# KiCad board keyboard.kicad_pcb (continued)
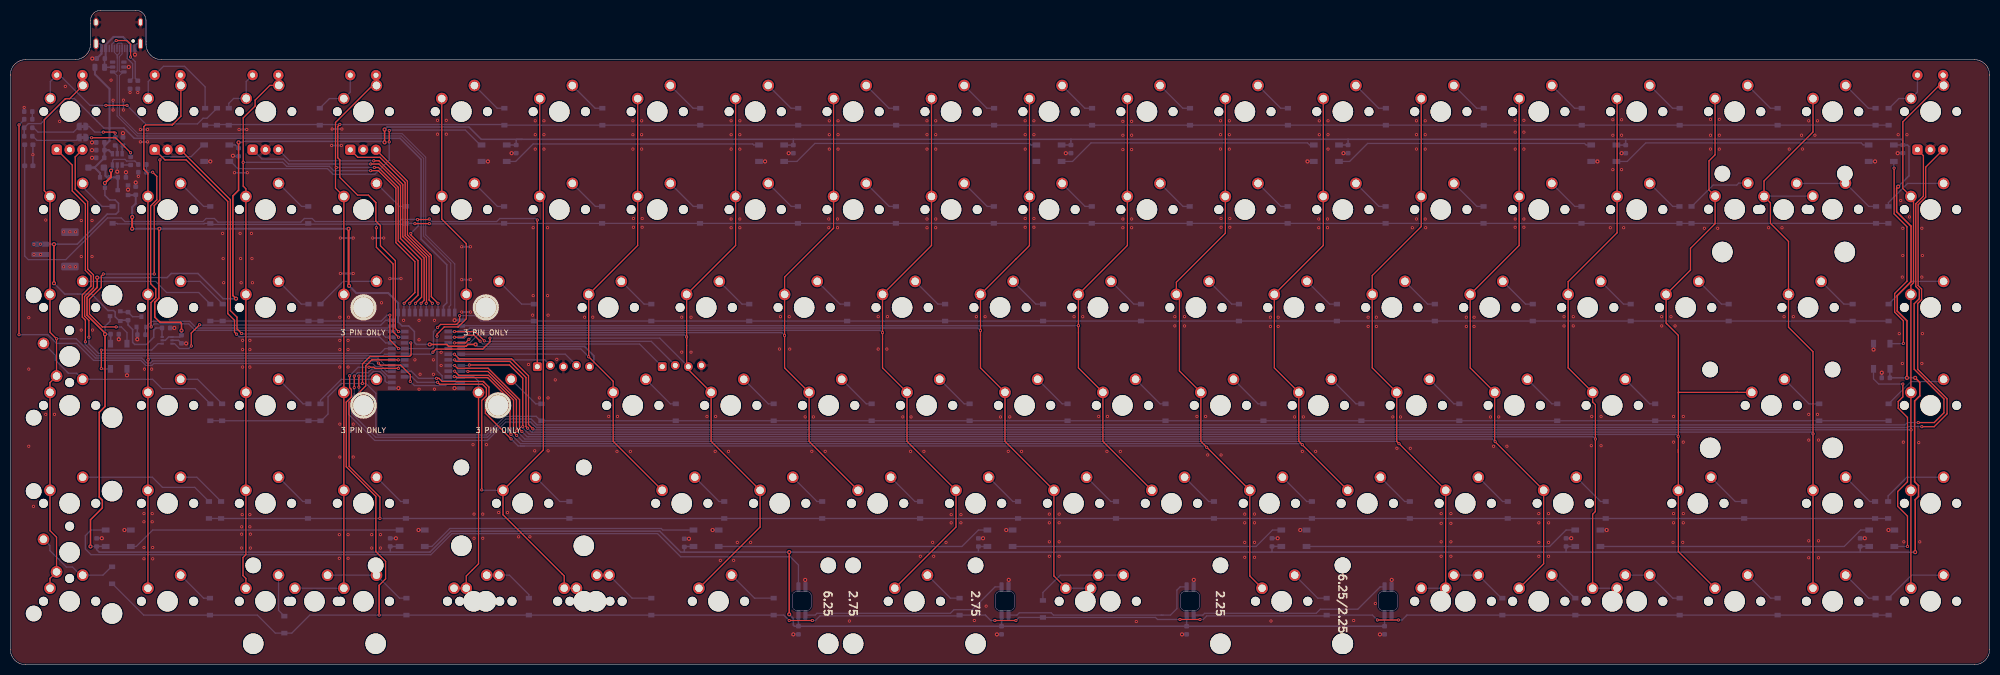
[diagram p0: board, top side]
## Routing (per net, layer and track width the routed paths; a pad name or vN(x,y) marks a point on that pad's centre or on a via; arc(x,y) is an arc through that point) (continued)
/ENC1_A: length 75.8
  Top w0.25: v1(44,64.3) 43.6,64.7 43.6,67 42.3,68.3 42.3,90.1 34.2,98.2 30.07,98.2 K_9.A
  Bottom w0.25: v1(44,64.3) 44.5,63.8 71.8,63.8 73,62.6 U1.9
/ENC1_B: length 70.2
  Top w0.25: v1(45,64.42) 44.1,65.32 44.1,67.6 42.8,68.9 42.8,90.47 K_9.B
  Bottom w0.25: U1.10 73,63.7 72.35,64.35 45.08,64.35 v1(45,64.42)
/ENC2_A: length 58.6
  Top w0.25: v1(70.1,97.4) 71.7,97.4 75.9,93.2 75.9,82.9 80,78.8 80,71.5 v1(78.8,70.3)
  Bottom w0.25: v1(70.1,97.4) 54.1,97.4 53.14,98.36 48.96,98.36 K_15.A ; v1(78.8,70.3) 78.75,70.25 U1.17
/ENC2_B: length 53.9
  Top w0.25: v1(79.9,70.3) 80.5,70.9 80.5,79.09 76.35,83.24 76.35,93.39 71.71,98.02 v1(70.7,98.02)
  Bottom w0.25: v1(70.7,98.02) 54.3,98.02 K_15.B ; v1(79.9,70.3) 79.85,70.25 U1.18
/ENC3_A: length 40.4
  Top w0.25: v1(80.9,70.3) 80.95,70.35 80.95,79.28 76.8,83.43 76.8,93.8 71.9,98.7 67.59,98.7 K_22.A
  Bottom w0.25: U1.19 80.9,68.55 v1(80.9,70.3)
/ENC3_B: length 36.2
  Top w0.25: K_22.B 77.25,94.05 77.25,83.62 81.45,79.41 81.45,70.95 v1(82.1,70.3)
  Bottom w0.25: v1(82.1,70.3) 82.05,70.25 U1.20
/ENC4_A: length 385.9
  Top w0.25: v1(371.1,47.1) 374.2,47.1 376.1,49 376.1,51.7 370.3,57.5 370.3,70.2 371.3,71.2 371.3,72.9 370.62,73.58 370.62,89.66 372.1,91.14 372.1,99.02 K_113.A ; v1(67.8,56.15) v1(67.8,54)
  Bottom w0.25: v1(67.8,56.15) 69.73,56.15 70.63,57.05 71.85,57.05 72.9,56 72.9,55.19 73.19,54.9 U1.2 ; v1(67.8,54) 67.8,52.85 66.4,51.45 66.4,48.9 71.05,44.25 92.79,44.25 96.34,47.8 101.3,47.8 102.45,46.65 368.55,46.65 369,47.1 v1(371.1,47.1)
/ENC4_B: length 388.8
  Top w0.25: v1(371.8,46.3) 374.2,46.3 376.7,48.8 376.7,51.74 371,57.44 371,70.26 371.75,71.01 371.75,73.09 371.07,73.76 371.07,89.47 372.55,90.94 372.55,96.79 K_113.B ; v1(66.9,56.15) v1(66.9,53.9)
  Bottom w0.25: v1(66.9,56.15) 67.55,56.8 69.58,56.8 70.31,57.53 72.04,57.53 73.57,56 U1.3 ; v1(371.8,46.3) 371.75,46.35 369.25,46.35 369.05,46.15 102.26,46.15 101.91,46.5 101.9,46.5 101.2,47.2 96.37,47.2 92.8,43.63 70.87,43.63 65.8,48.7 65.8,51.5 66.9,52.6 v1(66.9,53.9)
/nRST: length 176.7
  Top w0.25: v1(83.2,70.3) 81.9,71.6 81.9,79.61 81.61,79.9 81.6,79.9 77.9,83.6 v1(77.9,83.9) ; J1.1 v1(102.5,86.5) ; v1(79.2,86.6) 81.4,86.6 v1(81.5,86.7)
  Bottom w0.25: v1(83.2,70.3) 83.2,68.55 U1.21 ; v1(77.9,83.9) 79.32,85.32 79.32,86.48 v1(79.2,86.6) 79.18,86.62 76.12,86.62 75.7,86.2 59.3,86.2 58.7,86.8 57.2,86.8 56.5,86.1 40.4,86.1 39.7,86.8 38.1,86.8 37.5,86.2 22.3,86.2 21.6,86.9 18.9,86.9 10.8,78.8 3.5,78.8 2.8,79.5 SW1.1 SW1.1 ; v1(81.5,86.7) 82,86.2 94.6,86.2 95.2,86.8 102.2,86.8 v1(102.5,86.5)
/ROW0: length 375.6
  Top w0.25: 71.1,89.9 70.75,90.25 ; 71.1,89.9 69.65,91.35 67.55,91.35 64.1,94.8 64.1,98.2 63.7,98.6 63.7,104.7 v1(64.1,105.1) ; 71.1,89.9 71.1,86.3 72,85.4 72,81.5 74.9,78.6 74.9,65.4 v1(75.5,64.8)
  Bottom w0.25: 40.44,104.95 40.56,105.07 95.98,105.07 D_86.1 D_80.1 D_75.1 D_69.1 D_64.1 D_58.1 D_53.1 D_47.1 D_42.1 D_36.1 D_31.1 D_24.1 D_18.1 D_13.1 D_8.1 D_1.1 ; 40.14,104.95 37.8,104.95 ; U1.46 v1(75.5,64.8)
/ROW1: length 371.5
  Top w0.25: v1(71.2,85) 71.2,81.2 74.45,77.95 74.45,64.75 v1(75.5,63.7) ; v1(78.7,85.8) v1(81.5,85.8)
  Bottom w0.25: v1(81.5,85.8) 81.55,85.75 95.95,85.75 D_87.1 D_81.1 D_76.1 D_70.1 D_65.1 D_59.1 D_54.1 D_48.1 D_43.1 D_37.1 D_32.1 D_25.1 D_20.1 D_7.1 D_2.1 ; v1(78.7,85.8) 78.65,85.85 D_88.1 76.85,85.7 71.6,85.7 ; 71.2,85.7 71.1,85.7 ; 71.2,85.7 71.6,85.7 ; 71.2,85.7 v1(71.2,85) ; 71.6,85.7 71.4,85.7 ; 71.6,85.7 58.1,85.7 D_96.1 57.75,85.65 39.1,85.65 D_104.1 37.79,85.85 37.69,85.75 20.85,85.75 20.75,85.85 D_110.1 ; U1.45 v1(75.5,63.7)
/ROW2: length 338.3
  Top w0.25: v1(83.1,65.6) 83.7,66.2 86.8,66.2 87.4,66.8 v1(87.4,67.9) ; v1(75.5,61.5) 73.83,63.17 v1(73.83,68)
  Bottom w0.25: v1(83.1,65.6) 82.3,64.8 82.3,61.68 82.12,61.5 U1.43 v1(75.5,61.5) ; D_3.1 D_11.1 D_16.1 D_22.1 D_28.1 D_34.1 D_39.1 D_45.1 D_51.1 D_56.1 D_62.1 D_67.1 D_73.1 D_78.1 D_84.1 91.55,66.85 91.3,67.1 ; D_105.1 D_100.1 D_94.1 D_91.1 72.15,66.85 73.3,68 v1(73.83,68) ; 91.3,67.1 91.5,66.9 ; 91.3,67.1 90.5,67.9 v1(87.4,67.9)
/ROW3: length 359.4
  Top w0.25: v1(68.5,54.7) 68.5,58.5 70,60 77.7,60 77.96,60.26 77.96,62.54 v1(77.9,62.6)
  Bottom w0.25: v1(77.9,62.6) U1.44 ; D_4.1 D_12.1 D_21.1 D_27.1 D_33.1 D_38.1 D_44.1 D_49.1 D_55.1 D_60.1 D_66.1 D_71.1 D_77.1 D_83.1 103.15,47.45 102.28,48.32 96.22,48.32 92.6,44.7 71.52,44.7 71.1,45.12 71.1,52.8 69.2,54.7 v1(68.5,54.7) 64.4,54.7 61.8,52.1 61.8,48.76 60.49,47.45 D_92.1 D_95.1 38.95,47.45
/ROW4: length 368.1
  Top w0.25: v1(71.9,28.45) 71.9,32.6 65.9,38.6 65.9,51 69.14,54.24 69.14,58.12 70.32,59.3 v1(75.46,59.3)
  Bottom w0.25: D_6.1 D_10.1 D_15.1 D_23.1 D_29.1 D_35.1 D_41.1 D_46.1 D_52.1 D_57.1 D_63.1 D_68.1 D_74.1 D_82.1 D_90.1 D_97.1 D_102.1 D_108.1 ; U1.41 v1(75.46,59.3)
/ROW5: length 423
  Top w0.25: v1(69.77,57.87) 70.73,57.87 70.95,57.65 v1(75.48,57.65) ; v1(265.9,8.7) v1(270,8.7) ; v1(191.5,8.6) v1(195.6,8.6) ; v1(66,56.2) 66,53.9 66.35,53.55 66.35,52.09 65.35,51.09 65.35,38.51 71.1,32.76 71.1,22 73,20.1 73,16.7 71.75,15.45 ; 71.75,15.45 71.75,10.15 ; 71.75,15.45 v1(71.75,9.65) ; v1(156,8.6) v1(151.5,8.6) ; v1(227.5,8.8) v1(231.4,8.8)
  Bottom w0.25: v1(151.5,8.6) 150.45,9.65 D_72.1 D_79.1 D_85.1 D_89.1 v1(71.75,9.65) 58.25,9.65 54.75,6.15 D_98.1 51.55,6.15 48.05,9.65 D_107.1 25.95,9.65 19.85,15.75 D_111.1 ; v1(195.6,8.6) 196.2,9.2 D_50.1 222.74,9.2 223.14,8.8 v1(227.5,8.8) ; v1(265.9,8.7) 264.95,9.65 D_40.1 255.89,9.5 232.7,9.5 232,8.8 v1(231.4,8.8) ; D_5.1 D_9.1 D_14.1 D_19.1 305.15,9.65 ; U1.40 75.6,58.2 75.5,58.1 75.5,57.67 v1(75.48,57.65) ; 305.15,9.65 304.64,9.65 ; 305.15,9.65 D_26.1 D_30.1 271.65,9.65 ; v1(66,56.2) 67.67,57.87 v1(69.77,57.87) ; v1(156,8.6) 156.6,8.6 157.5,9.5 184.49,9.5 D_61.1 189.65,9.65 ; v1(191.5,8.6) 190.7,8.6 189.65,9.65 ; 271.65,9.65 271.5,9.5 ; 271.65,9.65 270.7,8.7 v1(270,8.7) ; 189.65,9.65 189.9,9.4
/SPARE_0: length 44.3
  Top w0.25: v1(86.4,63.7) 88.1,63.7 88.5,64.1 90.22,64.1 v1(91.38,62.94)
  Bottom w0.25: v1(91.38,62.94) 91.94,62.38 122.4,62.38 J4.1 ; U1.54 v1(86.4,63.7)
/SPARE_1: length 46.9
  Top w0.25: v1(92.2,63) 90.4,64.8 v1(86.4,64.8)
  Bottom w0.25: U1.55 v1(86.4,64.8) ; v1(92.2,63) 92.3,62.9 124.67,62.9 J4.2
/SPARE_2: length 59.2
  Top w0.25: v1(93.3,63.52) 93.3,62.8 91.9,61.4 82.8,61.4 v1(82.2,60.8)
  Bottom w0.25: J4.3 126.33,63.52 v1(93.3,63.52) ; U1.42 81.8,60.4 v1(82.2,60.8)
/SWDCLK: length 23.3
  Bottom w0.25: U1.31 107.95,60.4 J1.4
/SWDIO: length 17.8
  Bottom w0.25: J1.2 103.97,59.3 U1.32
/UG_DAT: length 47
  Top w0.25: v1(36.8,66.12) 35.2,64.52 v1(35.2,62)
  Bottom w0.25: v1(35.2,62) 34.7,61.5 32.9,61.5 31.95,62.45 U2.3 ; U1.13 73,67 72.05,66.05 36.87,66.05 v1(36.8,66.12)
/UG_DAT_VBATT: length 17.8
  Top w0.25: v1(17.7,61.2) v1(17.7,57.6)
  Bottom w0.25: U2.4 28.75,62.45 27.5,61.2 v1(17.7,61.2) ; v1(17.7,57.6) 17.75,57.55 D19.4
/UG_EN: length 50.5
  Bottom w0.25: R3.1 26.29,65.54 Q1.1 26.45,65.75 27.5,66.8 34.9,66.8 36.2,65.5 73.8,65.5 U1.12
/UG_VPWR: length 1081.6
  Top w0.3: v2(43.9,71.2) 43.3,71.8 43.3,91.2 44.4,92.3 v2(44.4,101.6) ; v2(370.5,21.9) 370.5,32.1 371.15,32.75 371.15,34.85 370.4,35.6 370.4,51.3 371.4,52.3 371.4,54.9 v2(370.5,55.8) ; v2(367.2,93) 366.9,92.7 366.9,88.1 369.7,85.3 369.7,74.5 367,71.8 367,68.8 368.9,66.9 v2(368.9,55.8) ; v2(16.9,75.3) 16.9,73.4 14.93,71.43 14.93,68 18.42,64.5 v2(18.42,64.3) 18.42,50.22 17.3,49.1 17.3,32.6 17.9,32 17.9,30.5 15.6,28.2 v2(15.6,23) ; v2(151.5,9.8) v2(151.5,21.9) ; v2(72.8,101.6) v2(72.8,104.1)
  Bottom w0.3: D17.1 73.91,23 C17.2 73.9,21.9 ; D15.1 131.18,23 131.1,22.92 131.1,21.9 ; D8.1 312.42,101.07 C4.2 314.2,102.2 ; 302.6,21.9 245.3,21.9 ; 302.6,21.9 C5.2 302.61,23 D9.1 ; 302.6,21.9 359.8,21.9 ; 245.3,21.9 188.3,21.9 ; 245.3,21.9 245.4,22 C8.2 ; 260.2,102.2 314.2,102.2 ; 260.2,102.2 C7.2 258.45,101.09 D10.1 ; 260.2,102.2 206.3,102.2 ; 314.2,102.2 367.8,102.2 368.1,101.9 C1.2 ; v2(367.2,93) 369.3,95.1 369.3,100.8 369.01,101.09 C1.2 ; D12.1 204.49,101.09 C10.2 206.3,102.2 ; C13.2 D1.1 ; C13.2 152.51,7.49 152.3,7.7 152.3,9 v2(151.5,9.8) ; C13.2 C11.2 ; 245.4,23.03 247.19,23.03 D11.1 ; 188.3,21.9 131.1,21.9 ; 188.3,21.9 C12.2 ; 131.1,21.9 130.4,21.9 126.33,25.97 85.7,25.97 81.63,21.9 73.9,21.9 ; v2(370.5,55.8) C2.2 365.57,57.53 D5.1 ; v2(15.6,23) C27.2 16.8,22.4 17.3,21.9 73.9,21.9 ; v2(72.8,104.1) 73.3,104.6 89.2,104.6 91.6,102.2 99.51,102.2 ; 206.3,102.2 152.3,102.2 ; D13.1 188.32,23 188.3,23.03 ; 99.51,102.2 98.5,102.2 98.4,102.1 C16.2 96.57,101.09 D16.1 ; 99.51,102.2 152.3,102.2 ; 152.3,102.2 C14.2 150.54,101.07 D14.1 ; C11.2 C9.2 ; C11.2 D2.1 ; C9.2 C6.2 D4.1 ; C9.2 D3.1 ; D7.1 366.36,101.09 C1.2 ; D20.1 18.53,23.03 16.8,23.03 ; Q2.3 19.4,66.8 18.42,65.82 v2(18.42,64.3) 18.43,64.3 C23.2 19.53,62.47 D19.1 ; 359.8,21.9 v2(370.5,21.9) ; 359.8,21.9 C3.2 361.54,23.01 D6.1 ; v2(72.8,101.6) 72.6,101.8 45.3,101.8 45.1,101.6 v2(44.4,101.6) C18.2 43.79,101.1 D18.1 42.62,101.07 ; v2(43.9,71.2) 41.4,71.2 36.5,76.1 31.3,76.1 30.5,75.3 v2(16.9,75.3)
/USB_D+: length 112.8
  Bottom w0.2: 21.75,118.87 J2.B6 21.75,120.76 21.61,120.9 20.94,120.9 20.75,120.72 J2.A6 ; U1.24 86.45,77.97 80.8,83.62 80.8,98.72 76.22,103.3 26.62,103.3 ; 21.75,118.81 21.2,118.26 21.2,115.51 21.4,115.31 U4.3 21.95,115.31 21.22,114.59 21.22,106.88 24.8,103.3 26.67,103.3
/USB_D-: length 112.3
  Bottom w0.2: U1.23 85.35,69.64 85.68,69.97 85.68,78.11 80.4,83.38 80.4,98.48 76.03,102.85 26.43,102.85 ; J2.A7 21.25,118.97 20.83,118.56 20.8,118.56 ; J2.B7 20.25,119.11 20.8,118.56 ; 20.8,118.56 20.8,117.96 ; 20.8,118.56 20.8,115.51 20.6,115.31 U4.4 20.05,115.31 20.78,114.59 20.78,106.76 24.68,102.85 26.68,102.85
/USR_LED: length 118.1
  Top w0.25: v1(1.7,64.2) v1(1.7,105)
  Bottom w0.25: D22.2 2.71,106.01 v1(1.7,105) 1.71,105 ; v1(1.7,64.2) 7.3,64.2 9,62.5 12.9,62.5 16.2,59.2 25.4,59.2 26.37,58.23 27.53,58.23 27.9,58.6 70.5,58.6 71.05,58.05 72.24,58.05 73.19,57.1 U1.4
/VSENSE: length 82.1
  Top w0.25: v1(27.7,95.8) 28.5,95 28.5,90.44 27.3,89.24 27.3,74.1 28.3,73.1 28.3,71.37 27.38,70.45 27.38,65.72 v1(27.4,65.7)
  Bottom w0.25: R1.2 R2.1 v1(27.7,95.8) ; U1.11 73.95,65.05 35.95,65.05 34.7,66.3 28,66.3 v1(27.4,65.7)
Net-(C22-Pad1): length 6.8
  Bottom w0.4: D21.1 18.5,96.4 18.5,95.1 18.8,94.8 Q3.2 C22.1 20.91,92.31 U3.3
Net-(D1-Pad2): length 40.4
  Bottom w0.25: D1.2 156.55,9.65 156.9,10 182.85,10 183.55,10.7 187.1,10.7 191.55,15.15 D2.4
Net-(D1-Pad4): length 154.7
  Bottom w0.25: 153.29,15.16 D1.4 153.3,19.4 151.7,21 130.4,21 125.9,25.5 85.9,25.5 81.8,21.4 15.7,21.4 14.6,22.5 14.6,25.1 15.7,26.2 D20.2
Net-(D2-Pad2): length 39.8
  Bottom w0.25: 223.85,9.65 225.65,9.65 226.9,10.9 226.9,14.5 227.55,15.15 D3.4 ; 223.85,9.65 224.25,9.65 ; 223.85,9.65 202.9,9.65 202.45,10.1 196.25,10.1 195.8,9.65 D2.2
Net-(D3-Pad2): length 39.4
  Bottom w0.25: D3.2 231.95,9.65 232.3,10 254,10 254.8,10.8 262.1,10.8 266.45,15.15 D4.4
Net-(D5-Pad2): length 44.9
  Top w0.25: v1(369,23) 369,28.9 367.1,30.8 367.1,33.7 369,35.6 369,48.1 367.2,49.9 367.2,51.2 368.1,52.1 v1(368.1,54.6)
  Bottom w0.25: v1(369,23) D6.4 ; D5.2 362.4,55.6 363.4,54.6 v1(368.1,54.6)
Net-(D5-Pad4): length 40.8
  Top w0.25: v1(368.2,62.5) 368.2,66.9 366.5,68.6 366.5,72.2 368.9,74.6 368.9,85.2 366.4,87.7 v1(366.4,96.6)
  Bottom w0.25: D7.2 366.35,96.65 v1(366.4,96.6) ; D5.4 368.15,62.45 v1(368.2,62.5)
Net-(D6-Pad2): length 53.6
  Bottom w0.25: D9.4 356.7,23 359.9,26.2 D6.2
Net-(D7-Pad4): length 50.7
  Bottom w0.25: D7.4 360.4,101.1 360,101.5 318.1,101.5 314.5,97.9 D8.2
Net-(D10-Pad2): length 50.6
  Bottom w0.25: D8.4 306.5,101.1 306.2,101.4 264,101.4 260.5,97.9 D10.2
Net-(D10-Pad4): length 50.7
  Bottom w0.25: D10.4 252.7,101.1 252.3,101.5 210.2,101.5 206.6,97.9 D12.2
Net-(D11-Pad2): length 53.6
  Bottom w0.25: D13.4 242.3,23 245.5,26.2 D11.2
Net-(D11-Pad4): length 53.6
  Bottom w0.25: D11.4 299.4,23 302.6,26.2 D9.2
Net-(D12-Pad4): length 50.6
  Bottom w0.25: D14.2 153,97.9 156.5,101.4 198.2,101.4 198.5,101.1 D12.4
Net-(D13-Pad2): length 53.6
  Bottom w0.25: D13.2 188.3,26.2 185.1,23 D15.4
Net-(D14-Pad4): length 50.5
  Bottom w0.25: D16.2 98.3,97.9 101.7,101.3 144.4,101.3 144.6,101.1 D14.4
Net-(D15-Pad2): length 53.8
  Bottom w0.25: D15.2 126.9,26.2 126.6,26.5 85.5,26.5 82,23 D17.4
Net-(D16-Pad4): length 58.2
  Top w0.25: v1(73.7,101.7) v1(73.7,103.9)
  Bottom w0.25: D18.2 42.85,97.9 44.25,96.5 61.7,96.5 62.8,95.4 70.9,95.4 73.7,98.2 v1(73.7,101.7) ; D16.4 91.41,101.1 88.51,104 73.8,104 v1(73.7,103.9)
Net-(D17-Pad2): length 53.6
  Bottom w0.25: D20.4 24.5,23 27.7,26.2 D17.2
Net-(D18-Pad4): length 62.3
  Top w0.25: v1(29.1,98.2) 29.1,90.4 28,89.3 v1(28,76) ; v1(18.1,76) 17.7,75.6 17.7,73.4 15.4,71.1 15.4,68.2 17.9,65.7 v1(20.6,65.7)
  Bottom w0.25: v1(29.1,98.2) 29.1,98.3 29.63,98.83 35.18,98.83 37.45,101.1 D18.4 ; v1(18.1,76) v1(28,76) ; D19.2 22.7,64.6 21.6,65.7 v1(20.6,65.7)
Net-(D22-Pad1): length 1.6
  Bottom w0.25: 4.29,106 R11.1
Net-(D23-Pad1): length 10.1
  Bottom w0.25: JP1.1 12.3,103.6 5.39,103.6 4.29,104.7 ; 13.2,104.7 13.2,104.6
Net-(D24-Pad1): length 9.7
  Bottom w0.25: 4.29,102.9 5.19,102 12.85,102 JP2.1
Net-(D_1-Pad2): length 10.2
  Bottom w0.25: D_1.2 365.45,108.25 367.34,110.14 K_113.S2 370.94,111.39 K_113.S2
Net-(D_2-Pad2): length 13
  Bottom w0.25: K_114.2 369.02,93.62 365.29,89.89 D_2.2
Net-(D_3-Pad2): length 12.5
  Bottom w0.25: K_115.2 369.75,74.57 D_3.2
Net-(D_4-Pad2): length 12.7
  Bottom w0.25: D_4.2 369.66,55.08 375.59,55.08 K_116.2
Net-(D_5-Pad2): length 12.5
  Bottom w0.25: K_118.2 369.81,17.42 D_5.2
Net-(D_6-Pad2): length 13.4
  Bottom w0.25: D_6.2 365.24,32.84 368.87,36.47 K_117.2
Net-(D_7-Pad2): length 17.4
  Bottom w0.25: D_7.2 361.47,89.15 K_110.2 356.88,93.62 K_107.2 347.51,93.68
Net-(D_8-Pad2): length 7.7
  Bottom w0.25: D_8.2 361.39,108.25 K_109.2
Net-(D_9-Pad2): length 7.7
  Bottom w0.25: K_112.2 361.44,12.95 D_9.2
Net-(D_10-Pad2): length 7.7
  Bottom w0.25: K_111.2 361.69,31.75 D_10.2
Net-(D_11-Pad2): length 8
  Bottom w0.25: K_108.2 356.63,70.15 D_11.2
Net-(D_12-Pad2): length 8.7
  Bottom w0.25: K_106.2 349.84,50.75 D_12.2
Net-(D_13-Pad2): length 7.7
  Bottom w0.25: K_103.2 342.35,108.25 D_13.2
Net-(D_14-Pad2): length 7.7
  Bottom w0.25: D_14.2 342.39,12.95 K_105.2
Net-(D_15-Pad2): length 8.4
  Bottom w0.25: K_102.2 335.5,31.75 D_15.2
Net-(D_16-Pad2): length 7.7
  Bottom w0.25: D_16.2 332.82,70.15 K_101.2
Net-(D_17-Pad2): length 12.8
  Bottom w0.25: D_17.2 327.05,89.15 331.2,93.3 335.8,93.3 336.18,93.68 K_104.2
Net-(D_18-Pad2): length 7.7
  Bottom w0.25: D_18.2 323.3,108.25 K_98.2
Net-(D_19-Pad2): length 12.4
  Bottom w0.25: D_19.2 323.35,12.95 K_100.2 K_97.2
Net-(D_20-Pad2): length 7.6
  Bottom w0.25: K_99.2 323.35,89.15 D_20.2
Net-(D_21-Pad2): length 7.8
  Bottom w0.25: K_96.2 318.88,50.75 D_21.2
Net-(D_22-Pad2): length 7.7
  Bottom w0.25: K_95.2 313.77,70.15 D_22.2
Net-(D_23-Pad2): length 7.7
  Bottom w0.25: D_23.2 309.31,31.75 K_94.2
Net-(D_24-Pad2): length 7.7
  Bottom w0.25: K_91.2 304.25,108.25 D_24.2
Net-(D_25-Pad2): length 7.6
  Bottom w0.25: D_25.2 304.3,89.15 K_92.2
Net-(D_26-Pad2): length 6.4
  Bottom w0.25: D_26.2 304.3,12.95 K_93.2
Net-(D_27-Pad2): length 7.8
  Bottom w0.25: D_27.2 299.83,50.75 K_90.2
Net-(D_28-Pad2): length 7.7
  Bottom w0.25: D_28.2 294.72,70.15 K_89.2
Net-(D_29-Pad2): length 7.7
  Bottom w0.25: K_87.2 290.26,31.75 D_29.2
Net-(D_30-Pad2): length 11.3
  Bottom w0.25: K_86.2 K_88.2 290.01,12.95 D_30.2
Net-(D_31-Pad2): length 7.7
  Bottom w0.25: D_31.2 285.19,108.25 K_84.2
Net-(D_32-Pad2): length 7.6
  Bottom w0.25: D_32.2 285.25,89.15 K_85.2
Net-(D_33-Pad2): length 7.8
  Bottom w0.25: D_33.2 280.78,50.75 K_83.2
Net-(D_34-Pad2): length 7.7
  Bottom w0.25: K_82.2 275.67,70.15 D_34.2
Net-(D_35-Pad2): length 7.7
  Bottom w0.25: D_35.2 271.21,31.75 K_81.2
Net-(D_36-Pad2): length 7.7
  Bottom w0.25: D_36.2 266.14,108.25 K_79.2
Net-(D_37-Pad2): length 7.6
  Bottom w0.25: D_37.2 266.19,89.15 K_80.2
Net-(D_38-Pad2): length 7.8
  Bottom w0.25: 256.96,55.52 261.73,50.75 D_38.2
Net-(D_39-Pad2): length 7.7
  Bottom w0.25: D_39.2 256.62,70.15 K_77.2
Net-(D_40-Pad2): length 8.1
  Bottom w0.25: K_76.2 254.29,12.95 D_40.2
Net-(D_41-Pad2): length 7.7
  Bottom w0.25: D_41.2 252.16,31.75 K_75.2
Net-(D_42-Pad2): length 7.7
  Bottom w0.25: D_42.2 247.1,108.25 K_73.2
Net-(D_43-Pad2): length 7.6
  Bottom w0.25: D_43.2 247.14,89.15 K_74.2
Net-(D_44-Pad2): length 7.8
  Bottom w0.25: K_72.2 242.68,50.75 D_44.2
Net-(D_45-Pad2): length 7.7
  Bottom w0.25: D_45.2 237.57,70.15 K_71.2
Net-(D_46-Pad2): length 7.7
  Bottom w0.25: K_70.2 233.11,31.75 D_46.2
Net-(D_47-Pad2): length 7.7
  Bottom w0.25: K_68.2 228.05,108.25 D_47.2
Net-(D_48-Pad2): length 7.6
  Bottom w0.25: K_69.2 228.1,89.15 D_48.2
Net-(D_49-Pad2): length 7.8
  Bottom w0.25: K_67.2 223.63,50.75 D_49.2
Net-(D_50-Pad2): length 18.5
  Bottom w0.25: 216.52,17.45 K_66.2 211.72,17.42 ; K_64.2 204.22,17.42 200.85,14.05 D_50.2
Net-(D_51-Pad2): length 7.7
  Bottom w0.25: K_65.2 218.52,70.15 D_51.2
Net-(D_52-Pad2): length 7.7
  Bottom w0.25: D_52.2 214.06,31.75 K_63.2
Net-(D_53-Pad2): length 7.7
  Bottom w0.25: K_61.2 209,108.25 D_53.2
Net-(D_54-Pad2): length 7.6
  Bottom w0.25: K_62.2 209.05,89.15 D_54.2
Net-(D_55-Pad2): length 7.8
  Bottom w0.25: K_60.2 204.58,50.75 D_55.2
Net-(D_56-Pad2): length 7.7
  Bottom w0.25: D_56.2 199.47,70.15 K_59.2
Net-(D_57-Pad2): length 7.7
  Bottom w0.25: D_57.2 195.01,31.75 K_58.2
Net-(D_58-Pad2): length 7.7
  Bottom w0.25: K_56.2 189.94,108.25 D_58.2
Net-(D_59-Pad2): length 7.6
  Bottom w0.25: D_59.2 190,89.15 K_57.2
Net-(D_60-Pad2): length 7.8
  Bottom w0.25: 180.76,55.52 185.53,50.75 D_60.2
Net-(D_61-Pad2): length 8.1
  Bottom w0.25: D_61.2 182.85,12.95 K_54.2
Net-(D_62-Pad2): length 7.7
  Bottom w0.25: D_62.2 180.42,70.15 K_53.2
Net-(D_63-Pad2): length 7.7
  Bottom w0.25: K_52.2 175.96,31.75 D_63.2
Net-(D_64-Pad2): length 7.7
  Bottom w0.25: K_50.2 170.89,108.25 D_64.2
Net-(D_65-Pad2): length 7.6
  Bottom w0.25: D_65.2 170.94,89.15 K_51.2
Net-(D_66-Pad2): length 7.8
  Bottom w0.25: 161.71,55.52 166.48,50.75 D_66.2
Net-(D_67-Pad2): length 7.7
  Bottom w0.25: D_67.2 161.37,70.15 K_48.2
Net-(D_68-Pad2): length 7.7
  Bottom w0.25: D_68.2 156.91,31.75 K_47.2
Net-(D_69-Pad2): length 7.7
  Bottom w0.25: K_45.2 151.84,108.25 D_69.2
Net-(D_70-Pad2): length 7.6
  Bottom w0.25: D_70.2 151.9,89.15 K_46.2
Net-(D_71-Pad2): length 7.8
  Bottom w0.25: K_44.2 147.43,50.75 D_71.2
Net-(D_72-Pad2): length 10.1
  Bottom w0.25: K_43.2 144.75,12.95 D_72.2
Net-(D_73-Pad2): length 7.7
  Bottom w0.25: D_73.2 142.32,70.15 K_42.2
Net-(D_74-Pad2): length 7.7
  Bottom w0.25: K_41.2 137.86,31.75 D_74.2
Net-(D_75-Pad2): length 7.7
  Bottom w0.25: D_75.2 132.79,108.25 K_39.2
Net-(D_76-Pad2): length 7.6
  Bottom w0.25: K_40.2 132.84,89.15 D_76.2
Net-(D_77-Pad2): length 7.8
  Bottom w0.25: D_77.2 128.38,50.75 123.62,55.52
Net-(D_78-Pad2): length 7.7
  Bottom w0.25: K_37.2 123.27,70.15 D_78.2
Net-(D_79-Pad2): length 12.4
  Bottom w0.25: D_79.2 120.94,12.95 K_36.2 K_121.2
Net-(D_80-Pad2): length 7.7
  Bottom w0.25: D_80.2 113.75,108.25 K_34.2
Net-(D_81-Pad2): length 7.6
  Bottom w0.25: K_35.2 113.79,89.15 D_81.2
Net-(D_82-Pad2): length 8.5
  Bottom w0.25: K_33.2 106.9,31.75 D_82.2
Net-(D_83-Pad2): length 7.9
  Bottom w0.25: D_83.2 102.19,50.75 K_32.2
Net-(D_84-Pad2): length 8.6
  Bottom w0.25: D_84.2 99.46,70.15 K_31.2
Net-(D_85-Pad2): length 10.5
  Bottom w0.25: K_30.2 K_120.2 97.08,17.42 100.86,13.64 D_85.2
Net-(D_86-Pad2): length 7.7
  Bottom w0.25: K_28.2 94.69,108.25 D_86.2
Net-(D_87-Pad2): length 7.6
  Bottom w0.25: K_29.2 94.75,89.15 D_87.2
Net-(D_88-Pad2): length 7.6
  Bottom w0.25: D_88.2 75.69,89.15 K_23.2
Net-(D_89-Pad2): length 17.2
  Bottom w0.25: K_21.2 K_27.2 75.69,12.95 D_89.2
Net-(D_90-Pad2): length 7.7
  Bottom w0.25: K_26.2 75.94,31.75 D_90.2
Net-(D_91-Pad2): length 12.7
  Bottom w0.25: D_91.2 64.75,74.57 K_24.2
Net-(D_92-Pad2): length 13.3
  Bottom w0.25: D_92.2 60.34,51.45 64.41,55.52 K_25.2
Net-(D_93-Pad2): length 10.5
  Bottom w0.25: D_93.2 62.08,110.13 K_22.S2 66.13,111.38 K_22.S2
Net-(D_94-Pad2): length 7.7
  Bottom w0.25: K_17.2 56.59,70.15 D_94.2
Net-(D_95-Pad2): length 7.8
  Bottom w0.25: K_18.2 56.94,50.75 D_95.2
Net-(D_96-Pad2): length 7.6
  Bottom w0.25: K_16.2 56.65,89.15 D_96.2
Net-(D_97-Pad2): length 7.7
  Bottom w0.25: K_19.2 56.9,31.75 D_97.2
Net-(D_98-Pad2): length 8.4
  Bottom w0.25: D_98.2 52.18,10.57 K_20.2
Net-(D_99-Pad2): length 9.8
  Bottom w0.25: K_15.S2 45.89,113.44 K_15.S2 43.45,110.15 42.5,109.2 D_99.2
Net-(D_100-Pad2): length 10
  Bottom w0.25: K_11.2 36.9,74.57 D_100.2
Net-(D_101-Pad2): length 10
  Bottom w0.25: D_101.2 36.43,55.52 K_12.2
Net-(D_102-Pad2): length 9.8
  Bottom w0.25: D_102.2 36.28,36.47 K_13.2
Net-(D_103-Pad2): length 41.6
  Top w0.25: v1(22.7,108.8) v1(18.6,108.8)
  Bottom w0.25: K_1.S2 7.79,113.44 K_1.S2 9.61,114.69 15.5,108.8 v1(18.6,108.8) ; 40.05,108.25 D_103.2 38.25,106.3 37.5,106.3 36.4,105.2 26.3,105.2 v1(22.7,108.8)
Net-(D_104-Pad2): length 7.6
  Bottom w0.25: K_10.2 37.59,89.15 D_104.2
Net-(D_105-Pad2): length 26.7
  Bottom w0.25: D_105.2 36.65,72.4 30.4,72.4 28.23,74.57 K_3.2
Net-(D_106-Pad2): length 38.2
  Bottom w0.25: K_4.2 8.75,60.21 8.75,59.25 11.3,56.7 ; D_106.2 35.95,53.7 29.5,53.7 27.68,55.52 K_5.2 12.89,56.7 11.3,56.7 ; 11.3,56.7 11.05,56.95
Net-(D_107-Pad2): length 7.6
  Bottom w0.25: K_14.2 37.59,12.95 D_107.2
Net-(D_108-Pad2): length 26.5
  Bottom w0.25: K_6.2 27.63,36.47 29.6,34.5 35.89,34.5 D_108.2
Net-(D_109-Pad2): length 21.4
  Bottom w0.25: D_109.2 37.9,112.4 33.9,116.4 29.8,116.4 K_9.S2 26.84,113.44 K_9.S2
Net-(D_110-Pad2): length 8.1
  Bottom w0.25: D_110.2 17.85,89.15 14.08,92.92 K_2.2
Net-(D_111-Pad2): length 17.5
  Bottom w0.25: D_111.2 19.65,19.05 18.02,17.42 K_8.2 13.68,17.42 12.1,19 10.9,19 7.7,22.2 7.7,23.16 K_7.2
Net-(J2-PadA5): length 12.7
  Top w0.25: v1(23.4,118.21) 23.4,120.71 22.7,121.41 v1(20.6,121.41)
  Bottom w0.25: J2.A5 19.75,120.68 20.48,121.41 v1(20.6,121.41) ; v1(23.4,118.21) 24.3,117.31 24.3,114.1 24.8,113.6 R4.2
Net-(J2-PadB5): length 6.9
  Bottom w0.25: R7.1 23.8,114.1 23.8,116.89 22.75,117.94 J2.B5
Net-(JP1-Pad2): length 7.1
  Top w0.25: v1(20.4,103.4) 20.2,103.6 v1(18.1,103.6)
  Bottom w0.25: v1(20.4,103.4) 20.41,103.39 R9.2 ; v1(18.1,103.6) 16.45,103.6 15.35,104.7 JP1.2
Net-(JP2-Pad2): length 10.8
  Top w0.25: v1(15.8,102.5) 20.5,102.5 v1(23.4,99.6)
  Bottom w0.25: 15.75,102.55 v1(15.8,102.5) 14.75,102.5 JP2.2 ; v1(23.4,99.6) 23.41,99.59 R5.2
Net-(Q1-Pad3): length 4.5
  Bottom w0.25: Q2.1 21.56,68.59 R6.1 23.79,67.7 Q1.3
Net-(R5-Pad1): length 1.7
  Bottom w0.3: R5.1 23.4,97.2 U5.1
Net-(R8-Pad2): length 1.7
  Bottom w0.3: R8.2 21.76,100.86 U5.6
Net-(R9-Pad1): length 1.8
  Bottom w0.3: U5.5 20.81,100.61 R9.1

## Copper pours and planes (outline as drawn; the poured copper is in the pictures)
GND on Top, Bottom: 385.2,-0.15 -0.1,0.1 -0.1,117.93 13,117.92 15.7,127.5 26.4,127.5 29,117.9 385.2,117.67

## Text on the board
B.Silkscreen: JLCJLCJLC | nRST | SWDIO | GND | SWDCLK | 3V3 | P0.13 | P0.16 | P1.08 | USER | CHARGE | STANDBY | RESET | Don't poke the battery! | 1.25u | 1.5u | 1u | 2.75u | 6.25u | 2.25u | + | Entropy
F.Silkscreen: 6.25 | 2.75 | 2.25 | 6.25/2.25
